# Altium PCB PCB MODULE AM625.PcbDoc (part 1 of 5)
Units mm, origin at the board's own origin, x right, y up, seen from the top; angles counter-clockwise.
Board outline 32.5 x 31.2 mm, 10 copper layers (Signal TOP, Ground Plane 1 (GND), Signal RAM 1, POWER 1, Signal IO 1, Signal IO 2, POWER 2, Signal RAM 2, Ground Plane 2 (GND), Signal Bottom), stack 1.563 mm thick; 228 components, 260 nets, 1274 pads, 471 vias.
Unrouted connection lines stored in the file: 1.
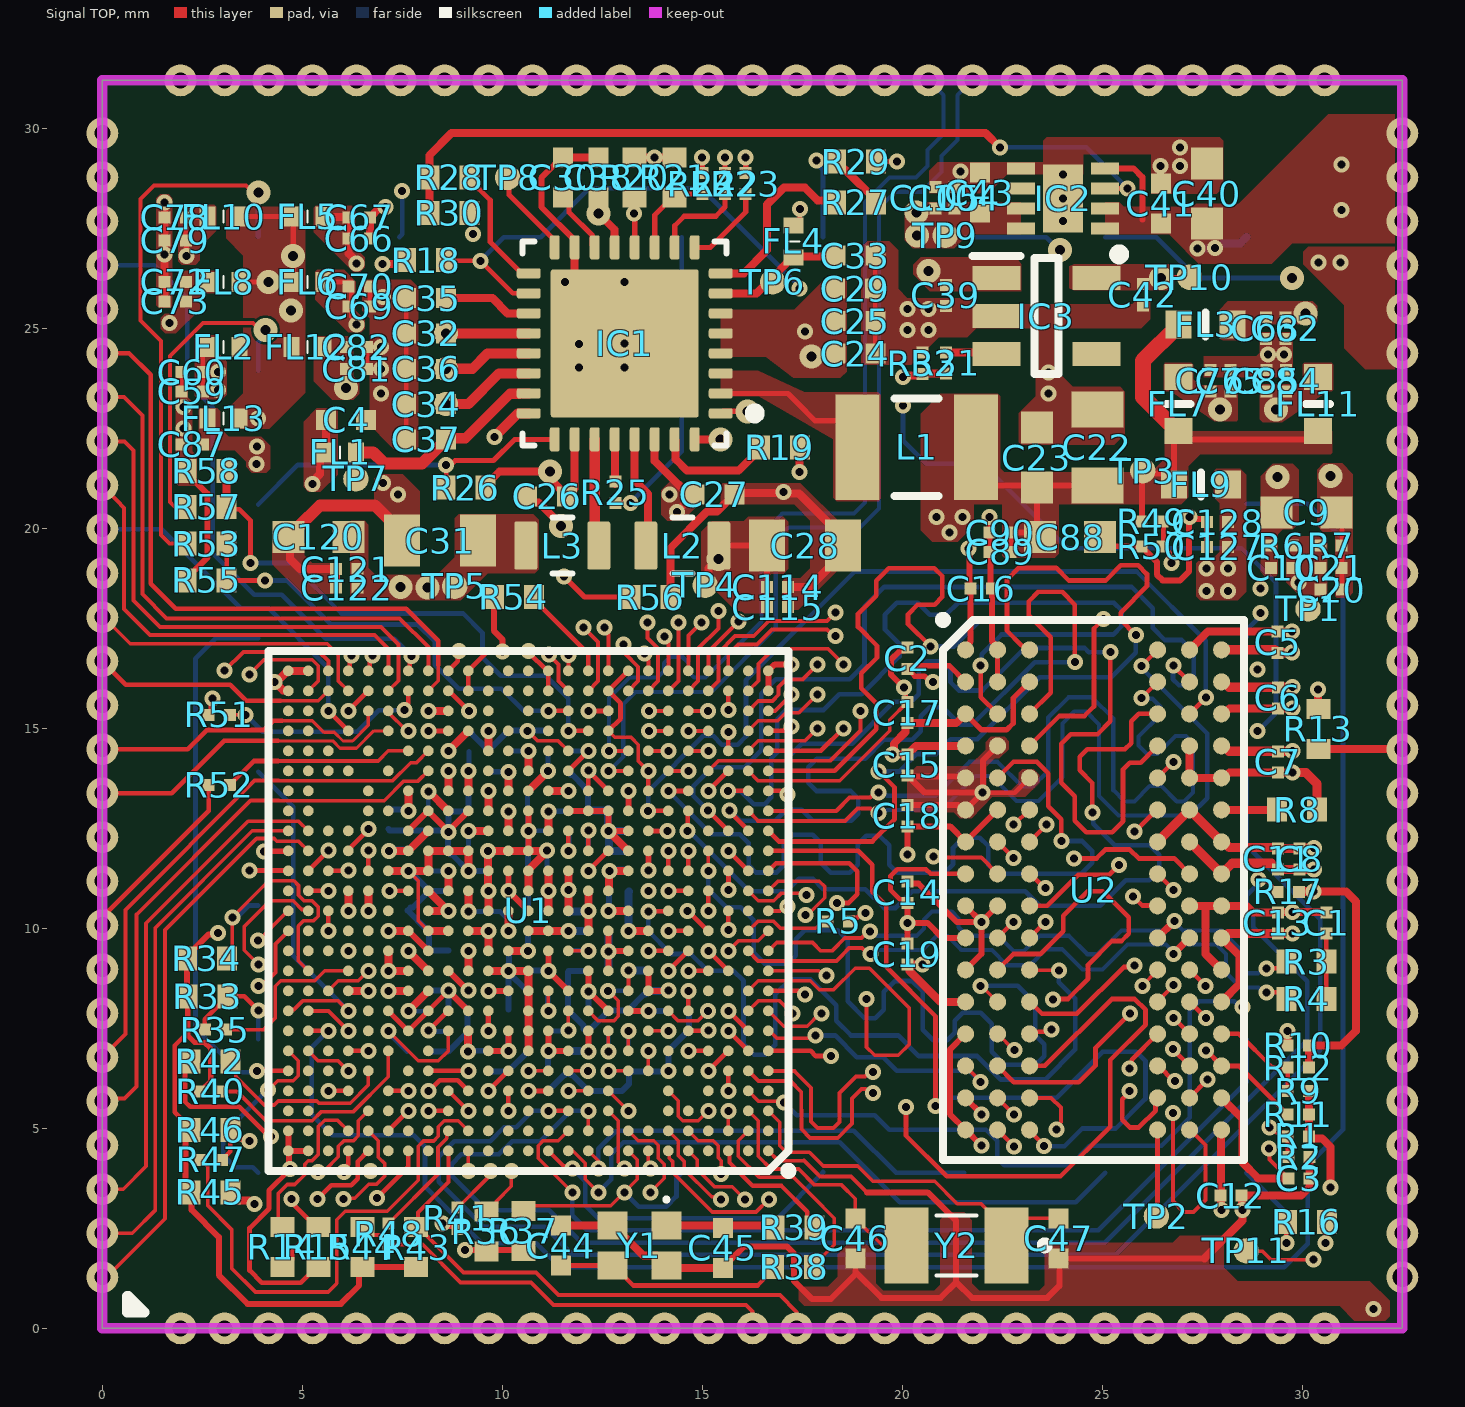
[diagram p0: Signal TOP view]
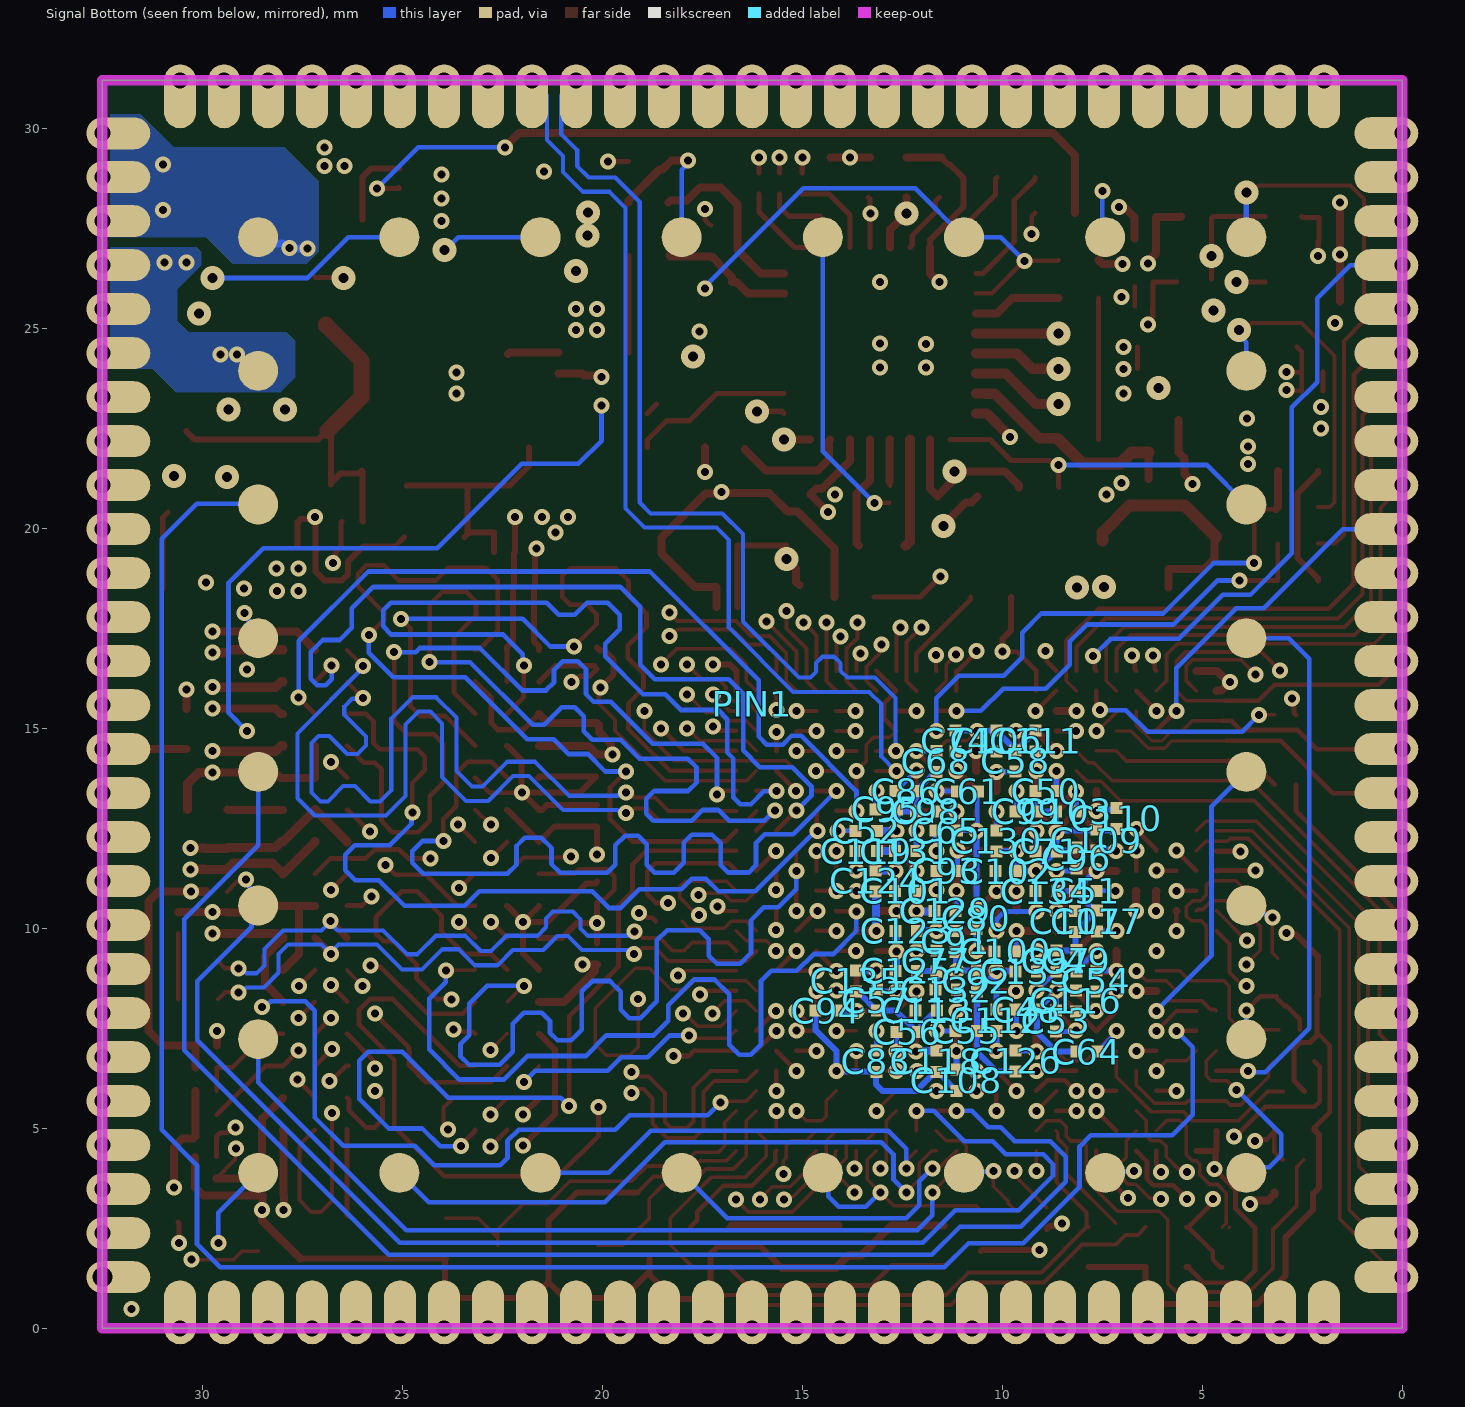
[diagram p1: Signal Bottom view, seen from below]
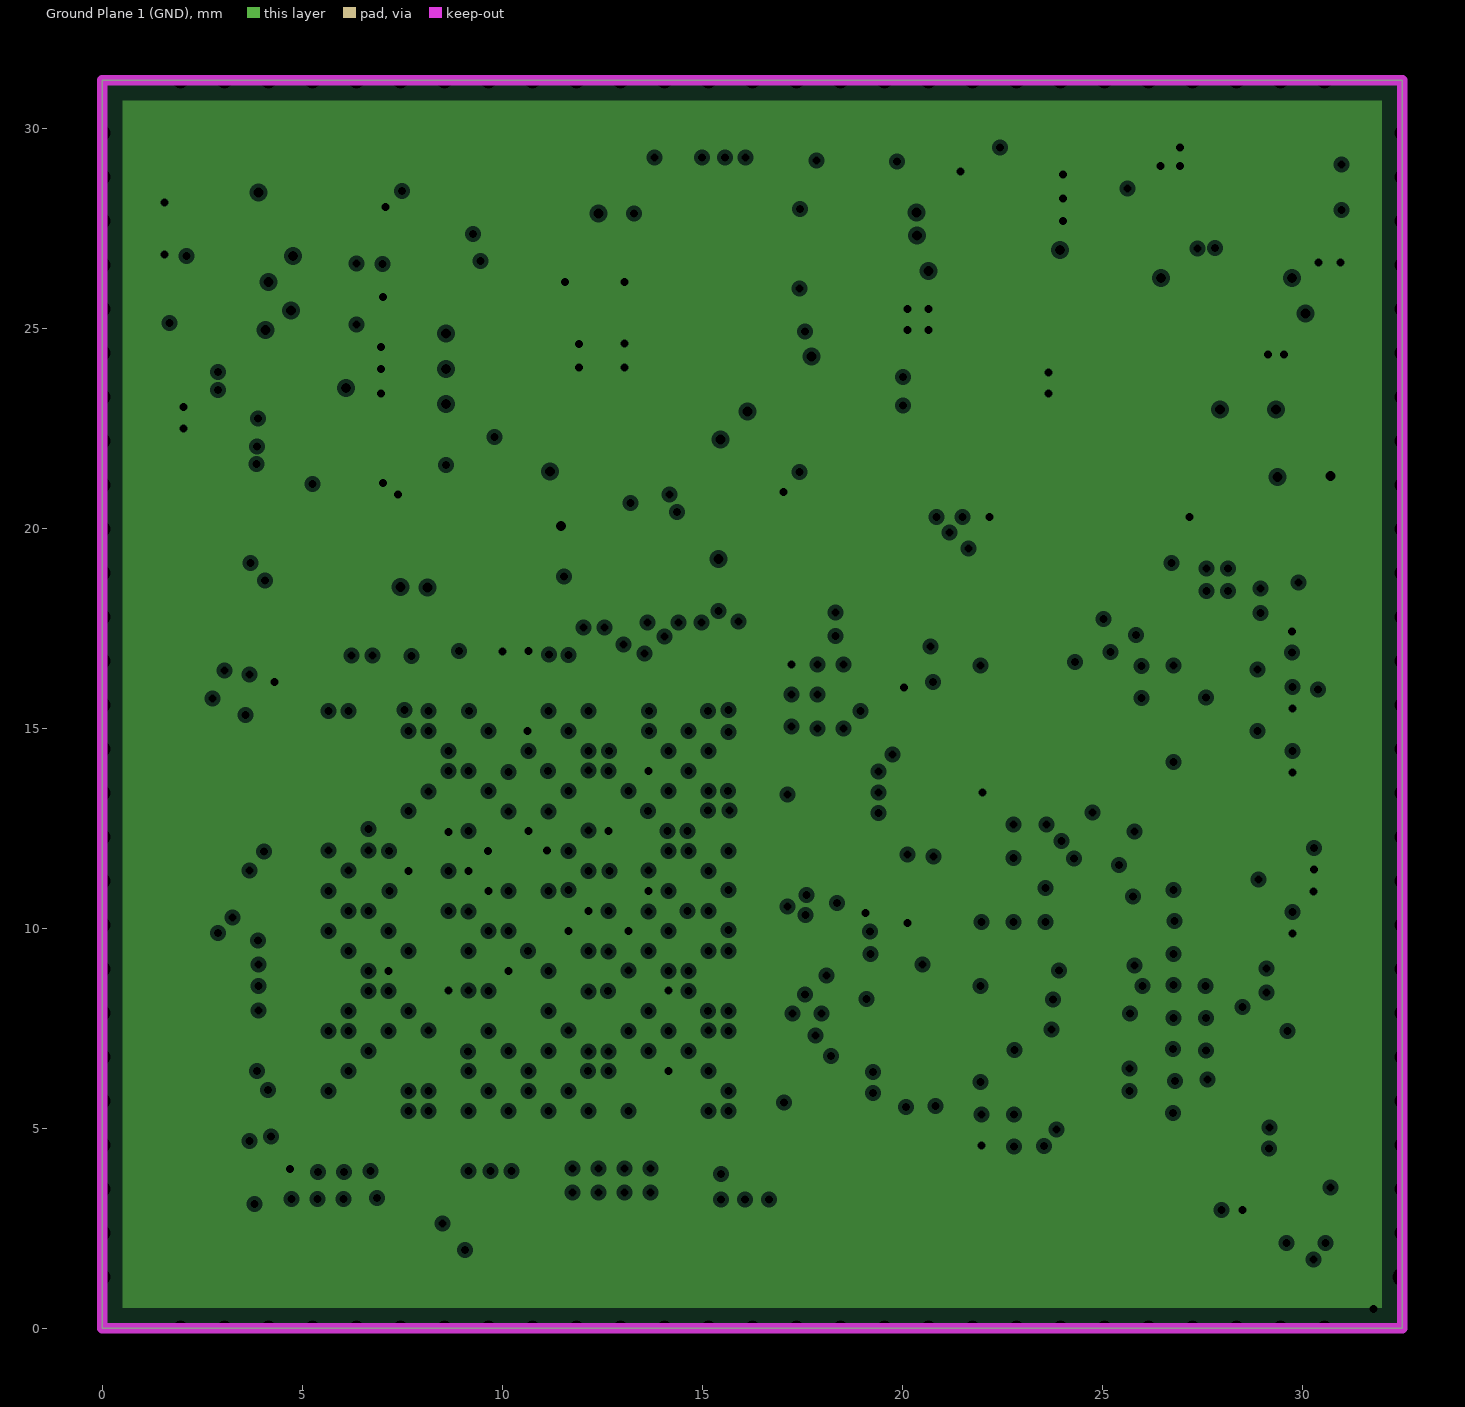
[diagram p2: Ground Plane 1 (GND), clearances drawn from the general rule]
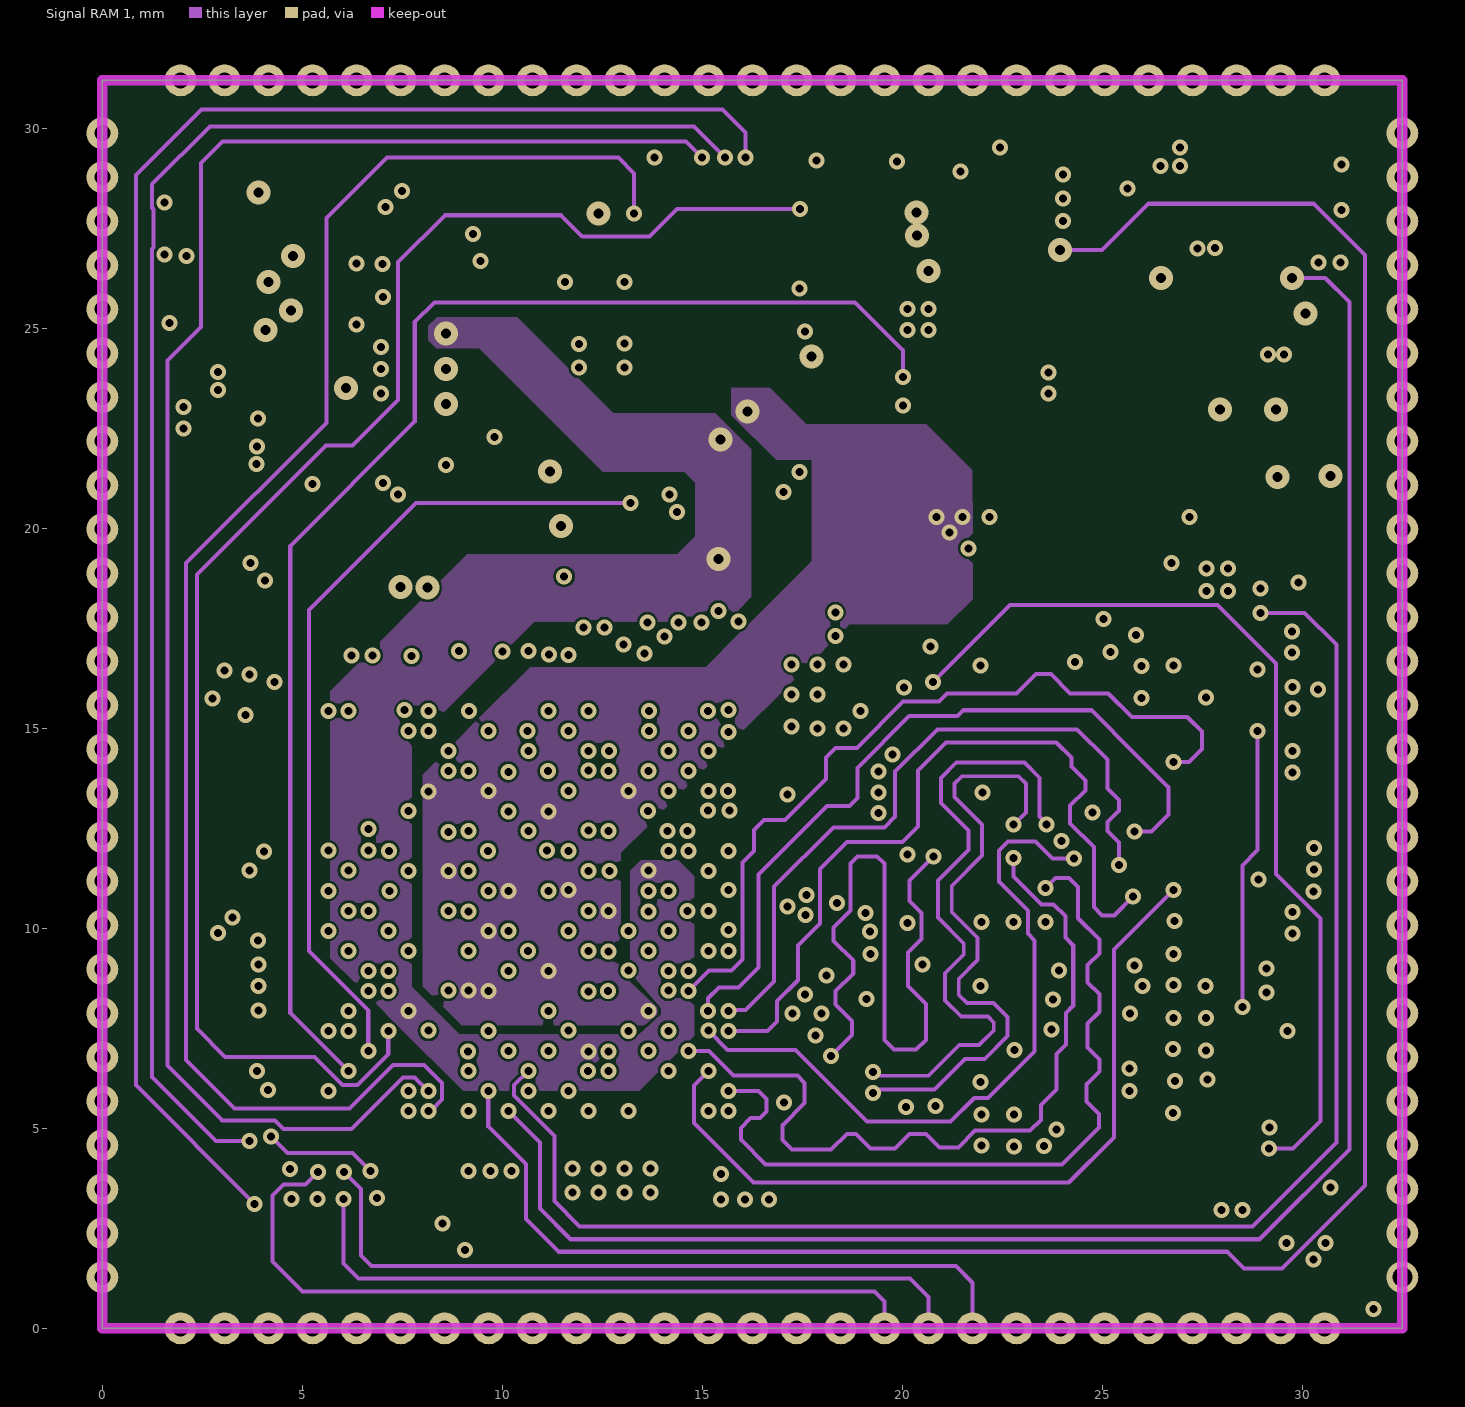
[diagram p3: Signal RAM 1]
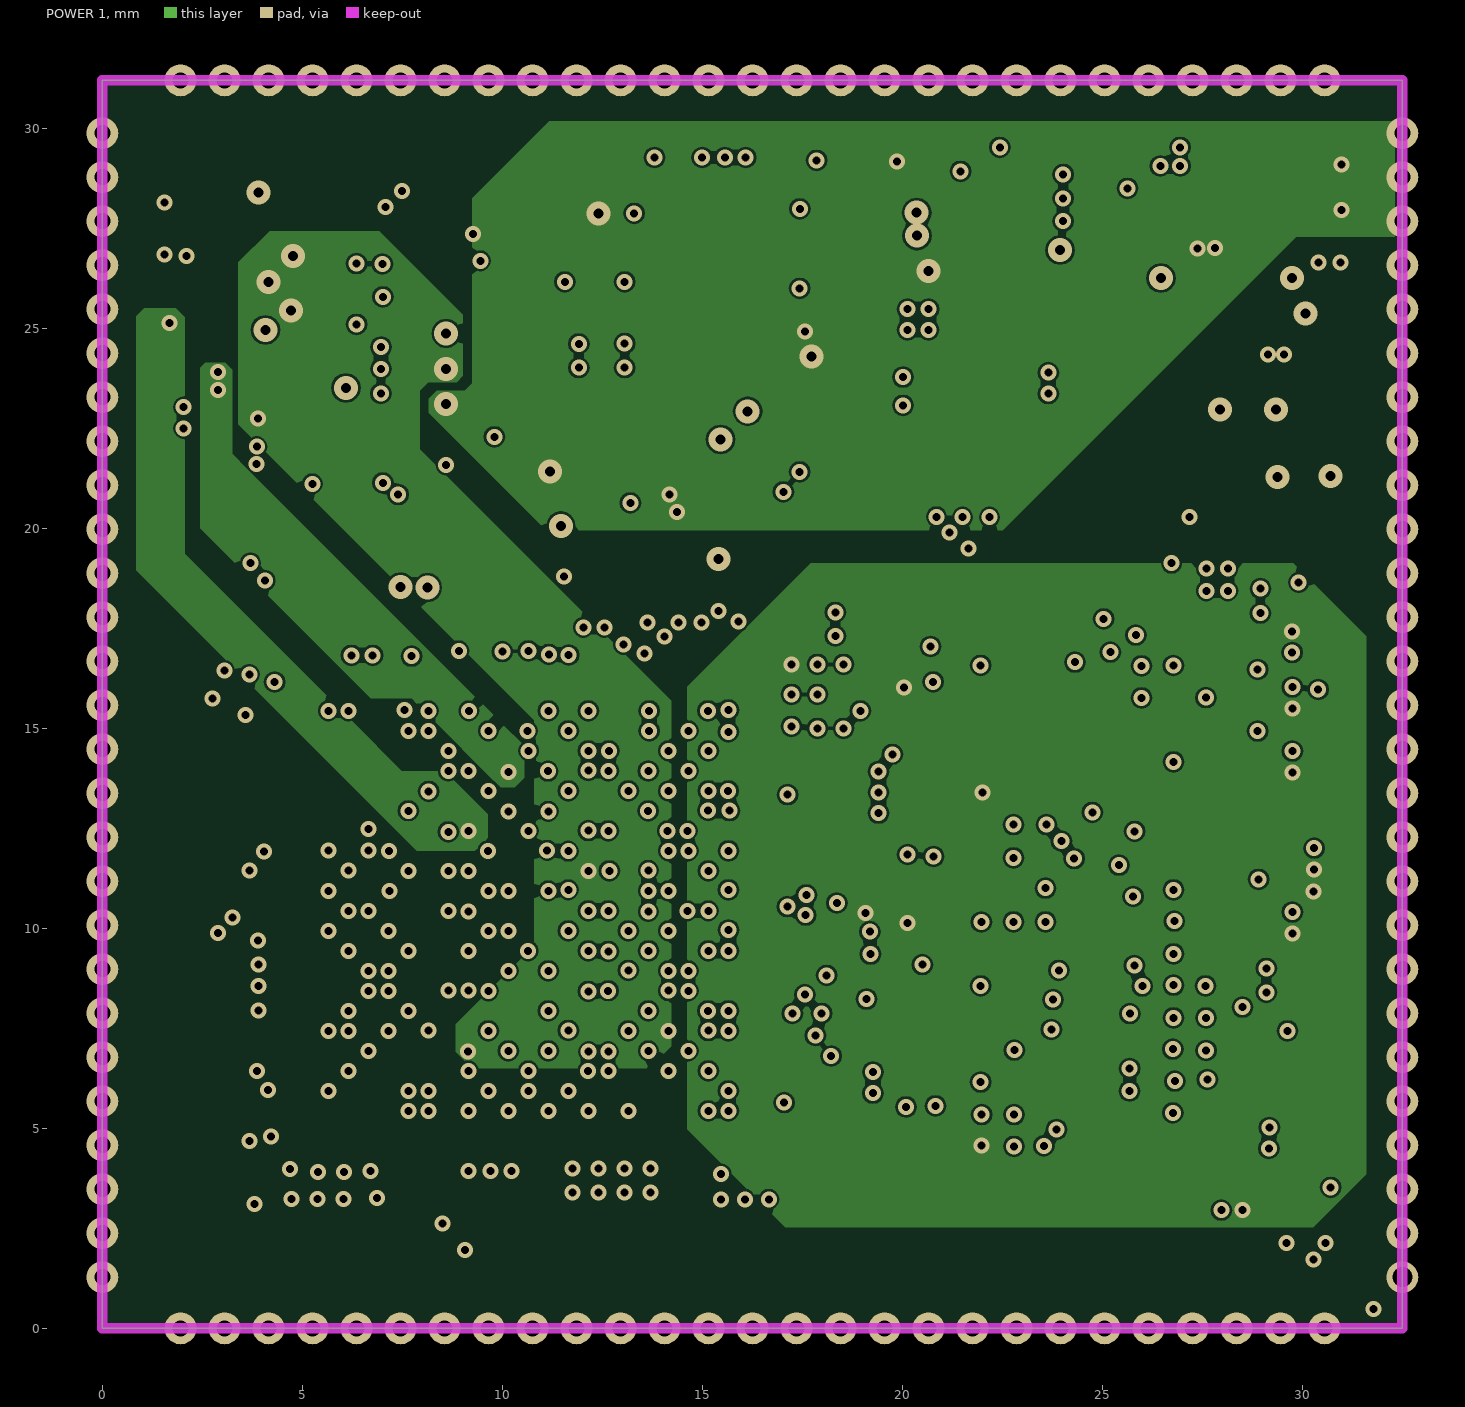
[diagram p4: POWER 1]
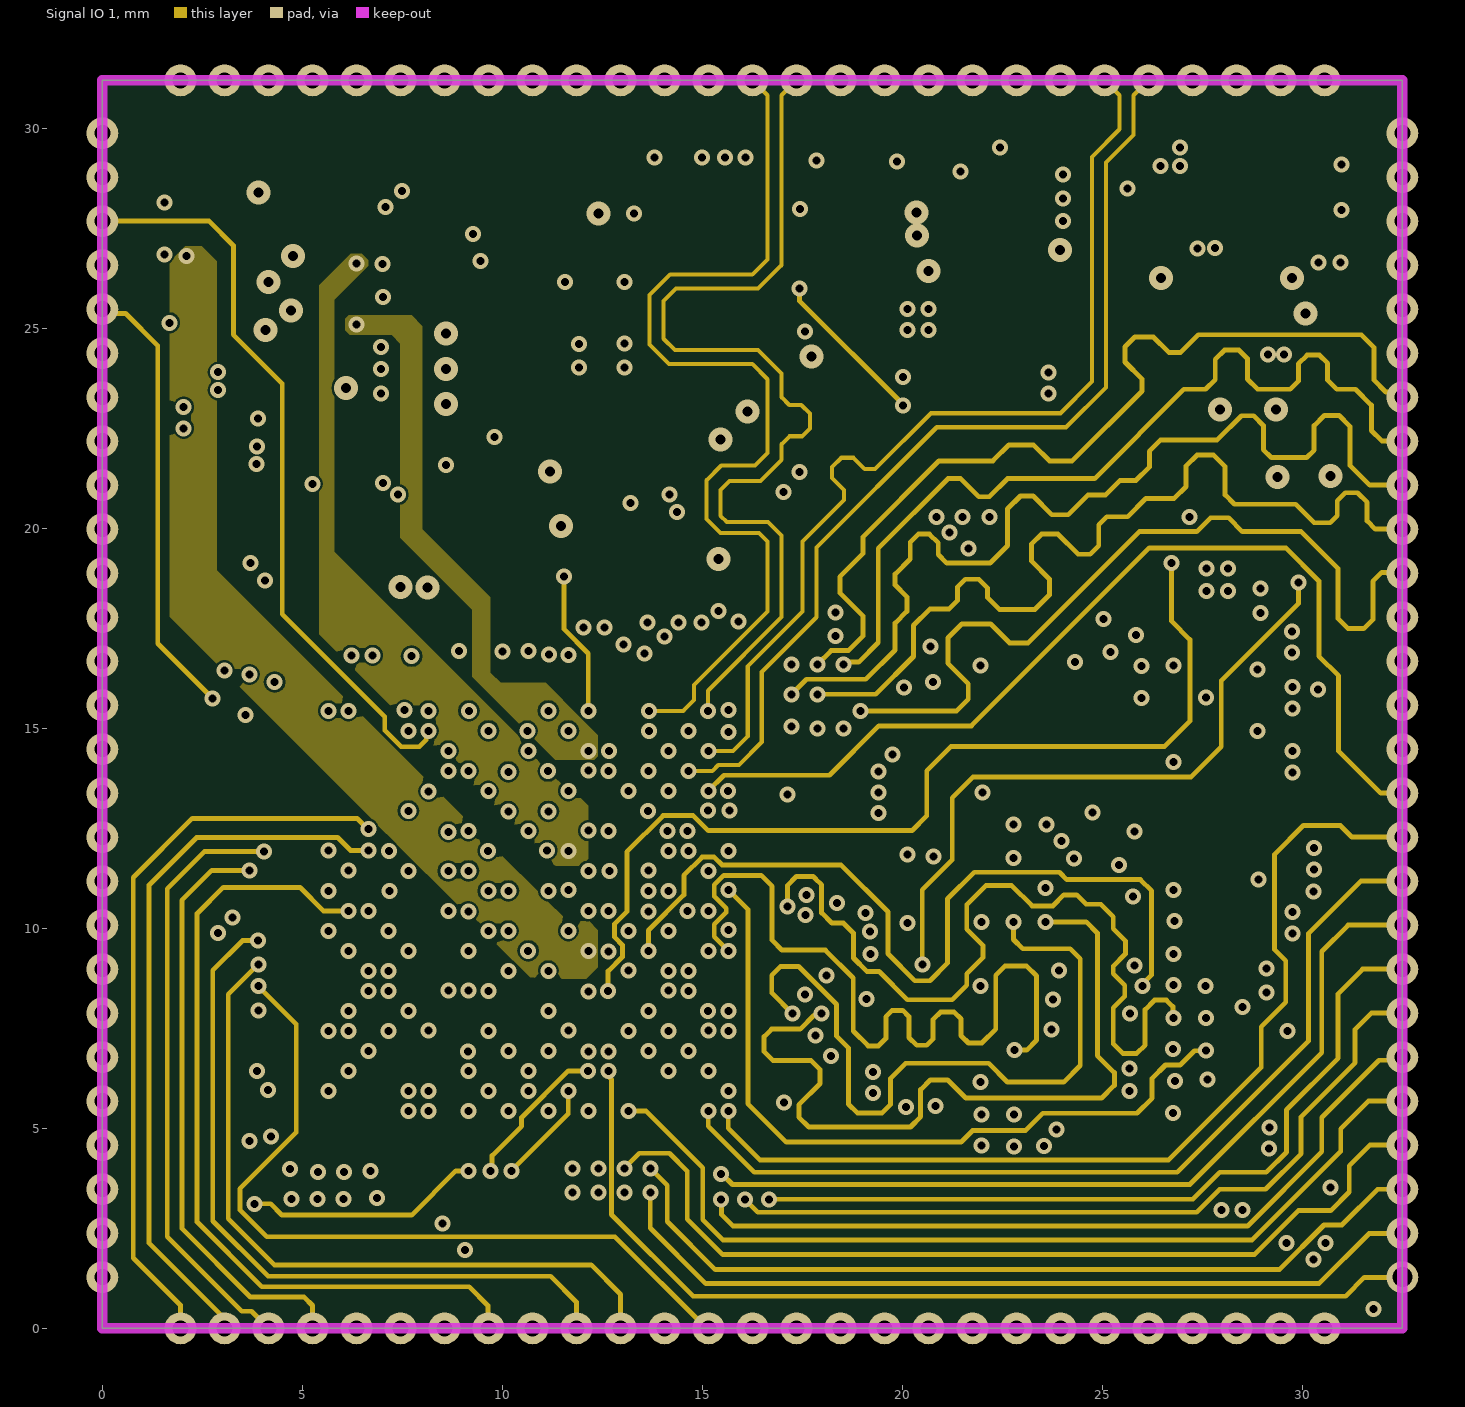
[diagram p5: Signal IO 1]
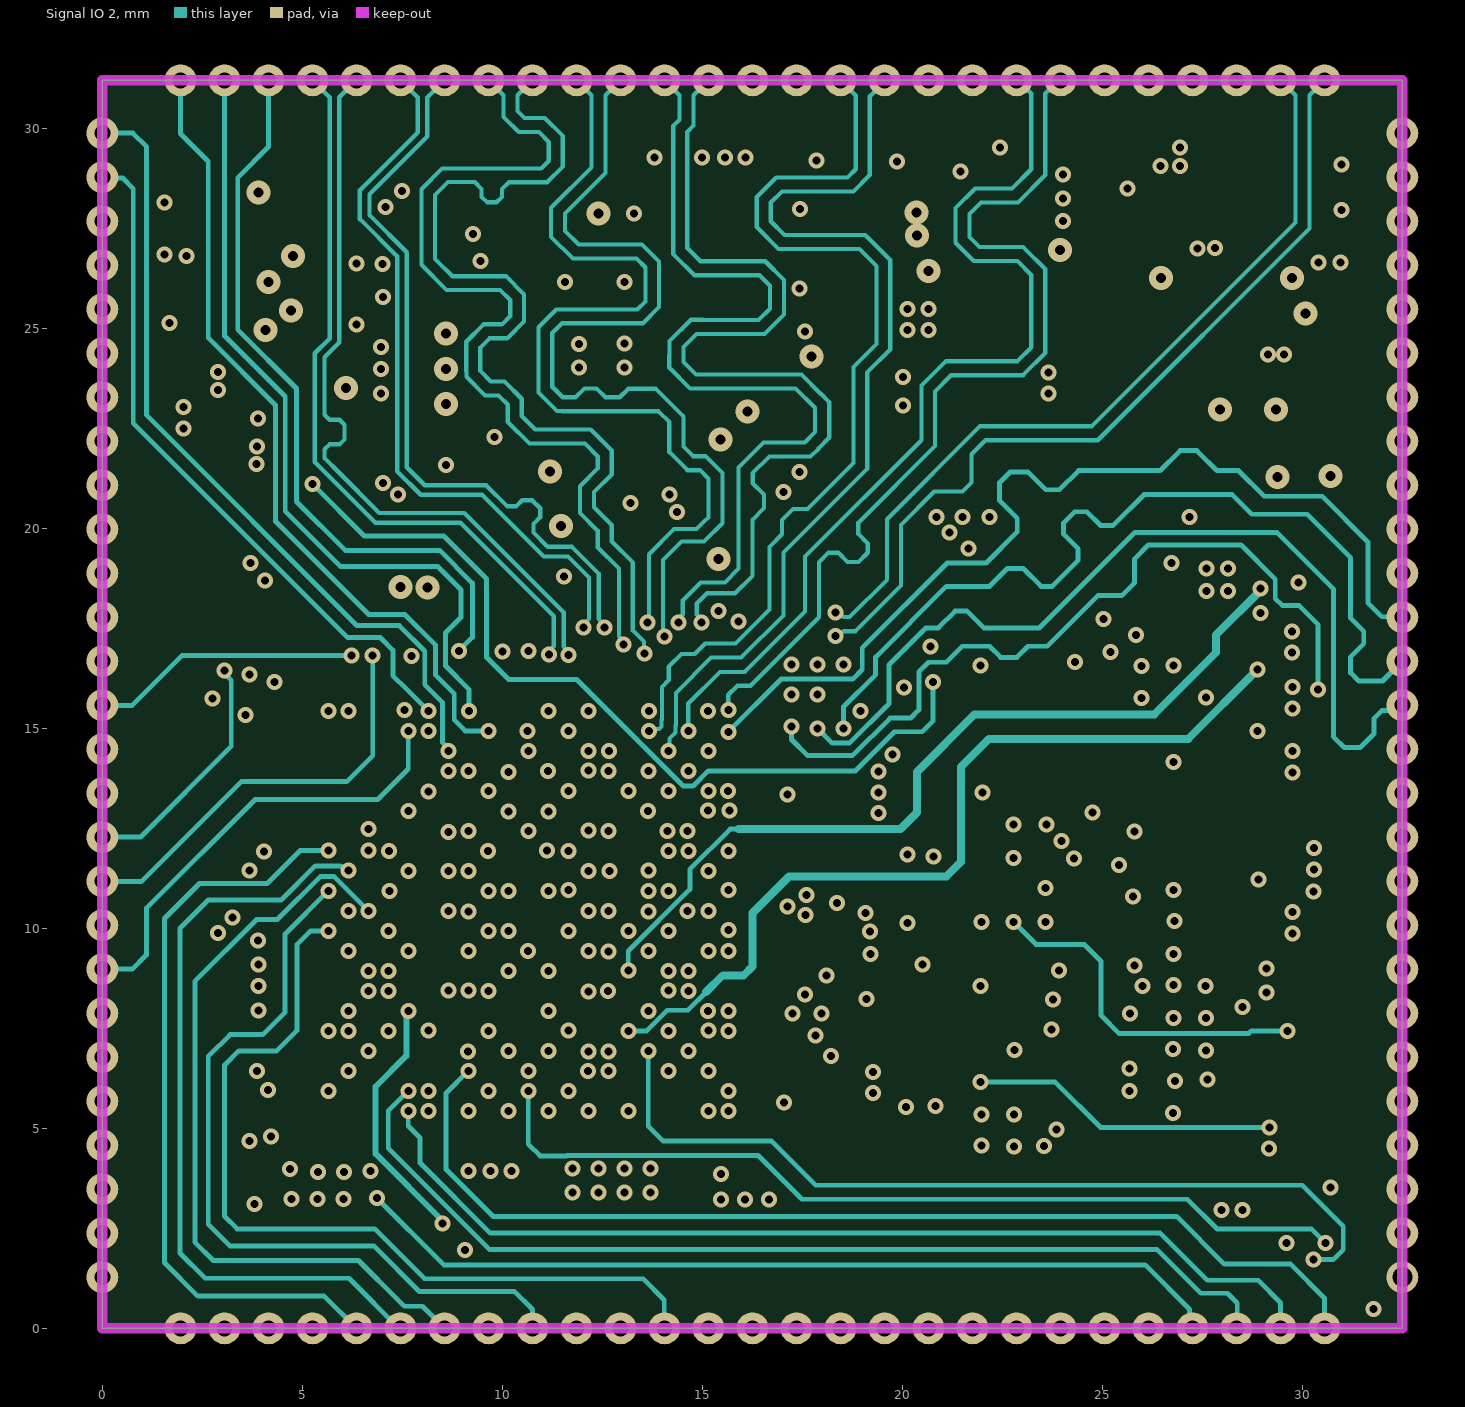
[diagram p6: Signal IO 2]